# Altium PCB led-cube.PcbDoc (continued)
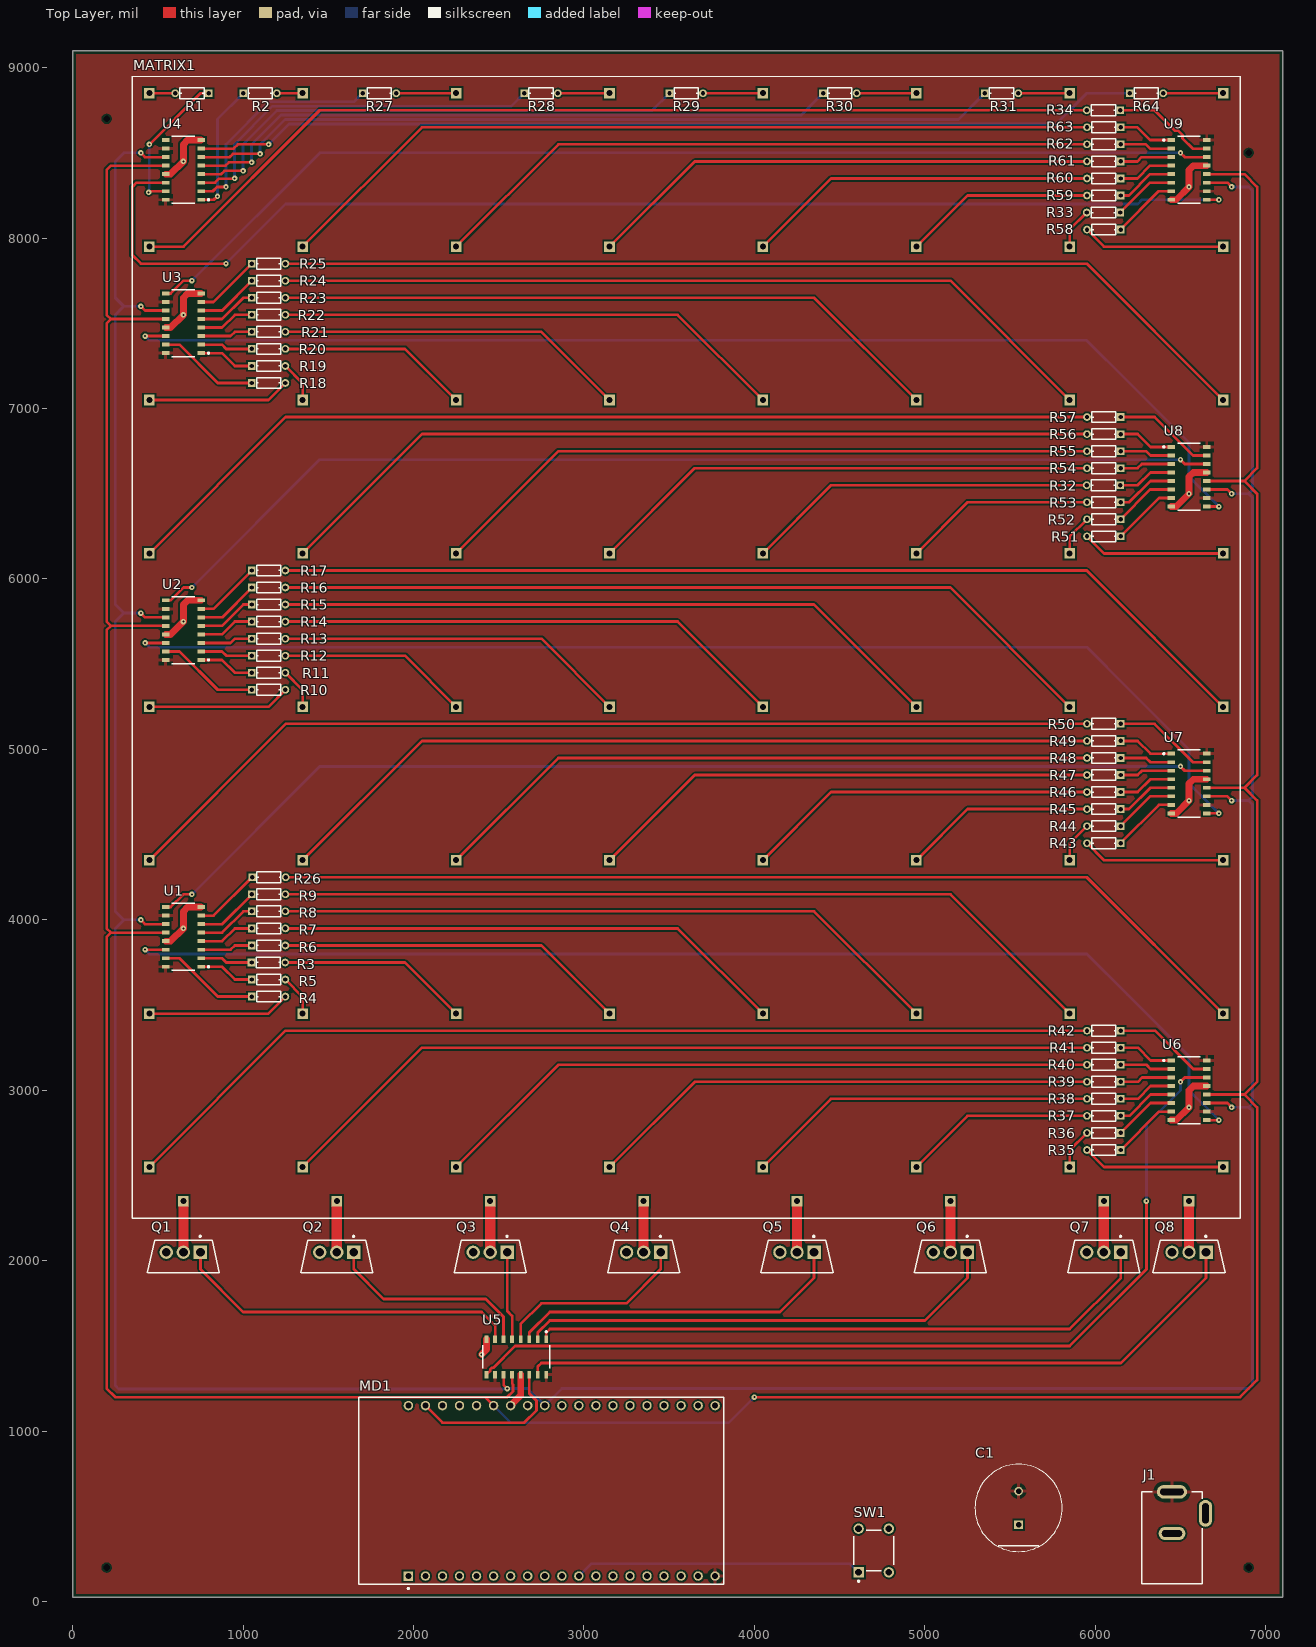
[diagram p0: Top Layer view]
## Footprints (in the part's own frame and the unit in brackets; to place one, negate y for a bottom-side part, rotate by r counter-clockwise, add the part's x,y. Pads: shape width x height; smd on the part's side, far side on the other; paste and mask are expansions set on the pad) (continued)
  silkscreen extent -3250,-3350 3250,3350

## Part data
C1: library part CMP-05427-000073-2, "Aluminum Electrolytic Capacitors (Radial Lead Type) 470uF ±20% 50V", Capacitance=470uF, Case/Package=Radial, Dielectric Material=Aluminium, ESR (Equivalent Series Resistance)=22mR, Max Operating Temperature=105°C, Min Operating Temperature=-40°C, Package Quantity=200, Ripple Current=2.26A, Tolerance=20%, Voltage=50V, Construction=RADIAL, Contact Plating=Tin, Diameter=12.5mm, Features="General Purpose", Height=20mm, Height - Seated (Max)=0.787inch, Impedance=22mR, Lead Diameter=0.6mm, Lead Free="Lead Free", Lead Length=17mm, Lead Pitch=5mm, Length=20mm, Life (Hours)=5000Hour, Mount="Through Hole", Packaging=Bulk, Radiation Hardening=No, REACH SVHC="No SVHC", RoHS Compliant=Yes, Series=FM, Termination=Radial, Voltage Rating=50V, Voltage Rating (DC)=50V
J1: library part CMP-0256-00001-1, "3 Conductor Power Jack, 2 break 2 aux contacts", ComponentLink1Description="Manufacturer URL", ComponentLink1URL=http://kycon.com/, ComponentLink2Description=Datasheet, ComponentLink2URL=http://anacapa.kycon.com/Catalog_PDF/KLDX_0202.pdf, Contact Finish=Brass, Mounting Technology="Through Hole", PackageDescription="Jack, 9 x 14.5 mm Body, 2.5 mm Center Pin Diameter", PackageReference=KLDX-0202-B, PartNumber=KLDX-0202-B
MATRIX1: library part LED-MATRIX, "LED matrix - 512 × 5 mm - 8x8x8"
MD1: library part CMP-194065-000004-1, "WiFi Development Tools (802.11) ESP32 General Development Kit, ESP32-WROOM-32 on the board", Manufacturer=Espressif, Max Frequency=2.5GHz, Max Supply Voltage=5V, Min Supply Voltage=2.7V, Temperature="-40°C to", Temperature Range Low=-40°C, Automotive=No, Bandwidth=2.4-2.5GHz, Category=UNK, ComponentLink2Description=Datasheet, ComponentLink2URL=https://docs.espressif.com/projects/esp-idf/en/latest/get-started/get-started-devkitc.html, Device Class L1="Integrated Circuits (ICs)", Device Class L2="RF Semiconductors and Devices", Device Class L3=Transceivers, Interface=I2C,SPI,UART,I2S, Lead Free=Yes, Manufacturer Part Number="ESP32-DevKitC V4", Number Of Adc Channels=16, Number Of Gpio=22, Octopart=https://octopart.com/esp32-devkitc+v4-espressif+systems-107467262, Package="ESP32-DevKitC V4", RoHS=TRUE
Q1 Q2 Q3 Q4 Q5 Q6 Q7 Q8: library part CMP-32901-000118-1, "MOSFET N-CH 30V 260A TO-220AB", Continuous Drain Current=260A, Drain To Source Breakdown Voltage=30V, Drain To Source Resistance=2mΩ, Gate To Source Voltage=20V, Input Capacitace At Vds="8420pF @ 15V", Manufacturer=Infineon, Max Forward Diode Voltage=1V, Max Junction Temp=+175°C, Package=PG-TO220-3, Power Dissipation=230W, Pulse Drain Current=1050A, Temperature="-55°C to +175°C", Temperature Range Low=-55°C, Automotive=No, Category=Trans, ComponentLink2Description=Datasheet, ComponentLink2URL=https://www.infineon.com/dgdl/irlb3813pbf.pdf?fileId=5546d462533600a4015356603cfe258b, Depletion Mode=False, Device Class L1="Discrete Semiconductors", Device Class L2=Transistors, Device Class L3=MOSFETs, Digikey Description="MOSFET N-CH 30V 260A TO-220AB", Drain To Source Voltage=30V, Footprint Url=https://www.infineon.com/dgdl/po-to220ab-fp.pdf?fileId=5546d462580663ef0158068cfbee01be, Gate Charge At Vgs="57nC @ 4.5V", Height=19.8mm, Lead Free=Yes, Manufacturer Part Number=IRLB3813PBF, Number Of Channels=1, Number Of N Channels=1, Octopart=https://octopart.com/irlb3813pbf-infineon-65874923, Reverse Recovery Charge=22nC, Reverse Recovery Time=24ns, RoHS=TRUE, Rthja Max=62°C/W, Standoff Height=3.37mm, Temperature Range High=+175°C, Threshold Vgs Max=2.35V, Threshold Vgs Min=1.35V, Turn Off Delay Time=33ns, Turn On Delay Time=36ns
R1 R2 R3 R4 R5 R6 R7 R8 R9 R10 R11 R12 R13 R14 R15 R16 R17 R18 R19 R20 R21 R22 R23 R24 R25 R26 R27 R28 R29 R30 R31 R32 R33 R34 R35 R36 R37 R38 R39 R40 R41 R42 R43 R44 R45 R46 R47 R48 R49 R50 R51 R52 R53 R54 R55 R56 R57 R58 R59 R60 R61 R62 R63 R64: library part CMP-02408-000005-1, "RES 220 OHM 0.4W 1% AXIAL", Manufacturer="Vishay BC Components", Manufacturer Part Number=MBA02040C2200FC100, Package=MBA0204, Power Rating=0.25W, Resistance=220Ω, Temperature="-55°C to +125°C", Temperature Coefficient=50ppm/°C, Temperature Range High=+125°C, Temperature Range Low=-55°C, Tolerance=1%, Voltage Rating=200V, Automotive=Yes, Automotive Grade="Grade 1", Category=Res, ComponentLink2Description=Datasheet, ComponentLink2URL=http://www.vishay.com/docs/28766/mbxsma.pdf, Composition="Metal Film", Device Class L1="Passive Components", Device Class L2=Resistors, Device Class L3="Through-Hole Resistors", Digikey Description="RES 220 OHM 0.4W 1% AXIAL", Height=1.6mm, Ipc Land Pattern Name=RESAD500W65L360D160, Lead Free=Yes, Mouser Description="Thin Film Resistors - Through Hole .4watt 220ohms 1% 1/8watt body size", Octopart=https://octopart.com/mba02040c2200fc100-vishay-43743094, RoHS=TRUE, Series="MBA/SMA 0204"
SW1: library part CMP-47024-000004-1, "SWITCH TACTILE SPST-NO 0.05A 12V", Actuator Color=Black, Contact Resistance=100mR, Current Rating=50mA, Max Operating Temperature=70°C, Max Voltage Rating (DC)=12V, Min Operating Temperature=-20°C, Operating Force=160gf, Package Quantity=2000, Actuator Length=1.4mm, Actuator Material=Thermoplastic, Actuator Type=Standard, Color=Black, Contact Material=Bronze, Contact Plating=Silver, Electrical Life=100000Cycles, Illumination Type=Non-Illuminated, Mechanical Life=100000Cycles, Mount="Through Hole", Orientation=Straight, Packaging=Bulk, REACH SVHC="No SVHC", RoHS Compliant=Yes, Series=MJTP, Switch Function=Off-Mom, Switch Travel=0.25mm, Termination="PC Pin", Throw Configuration=SPST, Voltage Rating (DC)=12V
U1 U2 U3 U4 U5 U6 U7 U8 U9: library part CMP-00278-20374953-1, "MC74HCT595ADR2G Shift Register Single 8-Bit Serial to Serial/Parallel 16-Pin SOIC T/R - Tape and Reel", Case/Package=SOIC, Manufacturer Lifecycle Status=ACTIVE, Max Operating Temperature=125°C, Max Supply Voltage=5.5V, Min Operating Temperature=-55°C, Min Supply Voltage=4.5V, Operating Supply Voltage=5V, Quiescent Current=4µA, Contact Plating=Tin, Direction=Unidirectional, Halogen Free="Halogen Free", Lead Free="Lead Free", Lifecycle Status=Production, Logic Function="Shift Register", Mount="Surface Mount", NexarPartId=20374953, Number of Bits=8, Number of Bits per Element=8, Number of Circuits=1, Number of Elements=1, Number of Pins=16, Packaging="Tape & Reel (TR)", Propagation Delay=38ns, RoHS=Compliant, Schedule B="8542390000, 8542390000", Turn-On Delay Time=45ns

## Via types
v1: diameter 32, hole 12, Top Layer to Bottom Layer, 44 vias

## Nets (pads, with @x,y where several pads share a name; then routed paths per layer and width w, separated by ;. In a path a pad name is that pad's centre, name@x,y a point inside that pad or via, vN(x,y) a via of type N, cw(c..) or ccw(c..) an arc to the next point about the centre after c; other vN are vias at no path point)
+5: C1.2 J1.1 MD1.19 U1.10 U1.16 U2.10 U2.16 U3.10 U3.16 U4.10 U4.16 U5.10 U5.16 U6.10 U6.16 U7.10 U7.16 U8.10 U8.16 U9.10 U9.16
COL0: MATRIX1.1 R1.2 | length 151.6
  Top Layer w16: MATRIX1.1 R1.2
COL1: MATRIX1.2 R2.2 | length 151.6
  Top Layer w16: R2.2 MATRIX1.2
COL2: MATRIX1.3 R27.2 | length 351.6
  Top Layer w16: R27.2 MATRIX1.3
COL3: MATRIX1.4 R28.2 | length 303.1
  Top Layer w16: R28.2 MATRIX1.4
COL4: MATRIX1.5 R29.2 | length 351.6
  Top Layer w16: R29.2 MATRIX1.5
COL5: MATRIX1.6 R30.2 | length 350
  Top Layer w16: R30.2 MATRIX1.6
COL6: MATRIX1.7 R31.2 | length 301.6
  Top Layer w16: R31.2 MATRIX1.7
COL7: MATRIX1.8 R64.2 | length 351.6
  Top Layer w16: R64.2 MATRIX1.8
COL8: MATRIX1.9 R34.2 | length 5831.4
  Top Layer w16: MATRIX1.9 650,7950 1450,8750 R34.2
COL9: MATRIX1.10 R63.2 | length 4891.5
  Top Layer w16: MATRIX1.10 2050,8650 R63.2
COL10: MATRIX1.11 R62.2 | length 3950.1
  Top Layer w16: MATRIX1.11 2850,8550 R62.2
COL11: MATRIX1.12 R61.2 | length 3008.7
  Top Layer w16: MATRIX1.12 3650,8450 R61.2
COL12: MATRIX1.13 R60.2 | length 2067.3
  Top Layer w16: MATRIX1.13 4450,8350 R60.2
COL13: MATRIX1.14 R59.2 | length 1125.8
  Top Layer w16: MATRIX1.14 5250,8250 R59.2
COL14: MATRIX1.15 R33.2 | length 241.4
  Top Layer w16: MATRIX1.15 5850,8050 R33.2
COL15: MATRIX1.16 R58.2 | length 839.8
  Top Layer w16: R58.2 6051.57,7950 MATRIX1.16
COL16: MATRIX1.17 R18.2 | length 839.8
  Top Layer w16: MATRIX1.17 1148.43,7050 R18.2
COL17: MATRIX1.18 R19.2 | length 242.1
  Top Layer w16: R19.2 1350,7148.43 MATRIX1.18
COL18: MATRIX1.19 R20.2 | length 1125.8
  Top Layer w16: R20.2 1950,7350 MATRIX1.19
COL19: MATRIX1.20 R21.2 | length 2067.3
  Top Layer w16: R21.2 2750,7450 MATRIX1.20
COL20: MATRIX1.21 R22.2 | length 3008.7
  Top Layer w16: R22.2 3550,7550 MATRIX1.21
COL21: MATRIX1.22 R23.2 | length 3950.1
  Top Layer w16: R23.2 4350,7650 MATRIX1.22
COL22: MATRIX1.23 R24.2 | length 4891.5
  Top Layer w16: R24.2 5150,7750 MATRIX1.23
COL23: MATRIX1.24 R25.2 | length 5832.9
  Top Layer w16: R25.2 5950,7850 MATRIX1.24
COL24: MATRIX1.25 R57.2 | length 5832.9
  Top Layer w16: MATRIX1.25 1250,6950 R57.2
COL25: MATRIX1.26 R56.2 | length 4891.5
  Top Layer w16: MATRIX1.26 2050,6850 R56.2
COL26: MATRIX1.27 R55.2 | length 3950.1
  Top Layer w16: MATRIX1.27 2850,6750 R55.2
COL27: MATRIX1.28 R54.2 | length 3008.7
  Top Layer w16: MATRIX1.28 3650,6650 R54.2
COL28: MATRIX1.29 R32.2 | length 2065.7
  Top Layer w16: MATRIX1.29 4450,6550 R32.2
COL29: MATRIX1.30 R53.2 | length 1125.8
  Top Layer w16: MATRIX1.30 5250,6450 R53.2
COL30: MATRIX1.31 R52.2 | length 242.1
  Top Layer w16: MATRIX1.31 5850,6248.43 R52.2
COL31: MATRIX1.32 R51.2 | length 839.8
  Top Layer w16: R51.2 6051.57,6150 MATRIX1.32
COL32: MATRIX1.33 R10.2 | length 839.8
  Top Layer w16: MATRIX1.33 1148.43,5250 R10.2
COL33: MATRIX1.34 R11.2 | length 242.1
  Top Layer w16: R11.2 1350,5348.43 MATRIX1.34
COL34: MATRIX1.35 R12.2 | length 1125.8
  Top Layer w16: R12.2 1950,5550 MATRIX1.35
COL35: MATRIX1.36 R13.2 | length 2067.3
  Top Layer w16: R13.2 2750,5650 MATRIX1.36
COL36: MATRIX1.37 R14.2 | length 3008.7
  Top Layer w16: R14.2 3550,5750 MATRIX1.37
COL37: MATRIX1.38 R15.2 | length 3950.1
  Top Layer w16: R15.2 4350,5850 MATRIX1.38
COL38: MATRIX1.39 R16.2 | length 4891.5
  Top Layer w16: R16.2 5150,5950 MATRIX1.39
COL39: MATRIX1.40 R17.2 | length 5832.9
  Top Layer w16: R17.2 5950,6050 MATRIX1.40
COL40: MATRIX1.41 R50.2 | length 5832.9
  Top Layer w16: MATRIX1.41 1250,5150 R50.2
COL41: MATRIX1.42 R49.2 | length 4891.5
  Top Layer w16: MATRIX1.42 2050,5050 R49.2
COL42: MATRIX1.43 R48.2 | length 3950.1
  Top Layer w16: MATRIX1.43 2850,4950 R48.2
COL43: MATRIX1.44 R47.2 | length 3008.7
  Top Layer w16: MATRIX1.44 3650,4850 R47.2
COL44: MATRIX1.45 R46.2 | length 2067.3
  Top Layer w16: MATRIX1.45 4450,4750 R46.2
COL45: MATRIX1.46 R45.2 | length 1125.8
  Top Layer w16: MATRIX1.46 5250,4650 R45.2
COL46: MATRIX1.47 R44.2 | length 242.1
  Top Layer w16: MATRIX1.47 5850,4448.43 R44.2
COL47: MATRIX1.48 R43.2 | length 839.8
  Top Layer w16: R43.2 6051.57,4350 MATRIX1.48
COL48: MATRIX1.49 R4.2 | length 839.8
  Top Layer w16: MATRIX1.49 1148.43,3450 R4.2
COL49: MATRIX1.50 R5.2 | length 242.1
  Top Layer w16: R5.2 1350,3548.43 MATRIX1.50
COL50: MATRIX1.51 R3.2 | length 1127.4
  Top Layer w16: R3.2 1950,3750 MATRIX1.51
COL51: MATRIX1.52 R6.2 | length 2067.3
  Top Layer w16: R6.2 2750,3850 MATRIX1.52
COL52: MATRIX1.53 R7.2 | length 3008.7
  Top Layer w16: R7.2 3550,3950 MATRIX1.53
COL53: MATRIX1.54 R8.2 | length 3950.1
  Top Layer w16: R8.2 4350,4050 MATRIX1.54
COL54: MATRIX1.55 R9.2 | length 4891.5
  Top Layer w16: R9.2 5150,4150 MATRIX1.55
COL55: MATRIX1.56 R26.2 | length 5831.4
  Top Layer w16: R26.2 5950,4250 MATRIX1.56
COL56: MATRIX1.57 R42.2 | length 5832.9
  Top Layer w16: MATRIX1.57 1250,3350 R42.2
COL57: MATRIX1.58 R41.2 | length 4891.5
  Top Layer w16: MATRIX1.58 2050,3250 R41.2
COL58: MATRIX1.59 R40.2 | length 3950.1
  Top Layer w16: MATRIX1.59 2850,3150 R40.2
COL59: MATRIX1.60 R39.2 | length 3008.7
  Top Layer w16: MATRIX1.60 3650,3050 R39.2
COL60: MATRIX1.61 R38.2 | length 2067.3
  Top Layer w16: MATRIX1.61 4450,2950 R38.2
COL61: MATRIX1.62 R37.2 | length 1125.8
  Top Layer w16: MATRIX1.62 5250,2850 R37.2
COL62: MATRIX1.63 R36.2 | length 242.1
  Top Layer w16: MATRIX1.63 5850,2648.43 R36.2
COL63: MATRIX1.64 R35.2 | length 839.8
  Top Layer w16: R35.2 6051.57,2550 MATRIX1.64
GND: C1.1 J1.2 MD1.14 MD1.32 MD1.38 Q1.3 Q2.3 Q3.3 Q4.3 Q5.3 Q6.3 Q7.3 Q8.3 SW1.3 U1.8 U1.13 U2.8 U2.13 U3.8 U3.13 U4.8 U4.13 U5.8 U5.13 U6.8 U6.13 U7.8 U7.13 U8.8 U8.13 U9.8 U9.13 | length 3103.1
  Top Layer w40: U1.13 575,3875 v1(650,3950) 650,4050 675,4075 U1.8 ; U2.13 575,5675 v1(650,5750) 650,5850 675,5875 U2.8 ; U3.13 575,7475 v1(650,7550) 650,7650 675,7675 U3.8 ; U4.13 575,8375 v1(650,8450) 650,8550 675,8575 U4.8 ; v1(2400,1450) 2428.97,1478.97 U5.8 ; MD1.32 2628.97,1208.89 U5.13 ; U6.8 6475,2825 v1(6550,2900) 6550,3000 6575,3025 U6.13 ; U7.8 6475,4625 v1(6550,4700) 6550,4800 6575,4825 U7.13 ; U8.8 6475,6425 v1(6550,6500) 6550,6600 6575,6625 U8.13 ; U9.8 6475,8225 v1(6550,8300) 6550,8400 6575,8425 U9.13
LATCH_CLK: MD1.33 U1.12 U2.12 U3.12 U4.12 U5.12 U6.12 U7.12 U8.12 U9.12 | length 23923.2
  Top Layer w16: U1.12 225,3925 ; U2.12 225,5725 ; U3.12 225,7525 ; U4.12 225,8425 200,8400 200,7550 225,7525 ; MD1.33 2420.08,1200 ; U5.12 2578.97,1279.57 2584,1274.54 2584,1234 2550,1200 2467.36,1200 2420.08,1200 ; v1(4000,1200) 6850,1200 6950,1300 6950,2900 6875,2975 ; U6.12 6875,2975 ; U7.12 6875,4775 ; U8.12 6875,6575 ; U9.12 6875,8375 6950,8300 6950,6650 6875,6575 ; 225,3925 200,3900 200,1250 250,1200 2420.08,1200 ; 225,3925 200,3950 200,5700 225,5725 ; 225,5725 200,5750 200,7500 225,7525 ; 6875,2975 6950,3050 6950,4700 6875,4775 ; 6875,4775 6950,4850 6950,6500 6875,6575
  Bottom Layer w16: MD1.33 2570.08,1050 3850,1050 v1(4000,1200)
LAY0: MATRIX1.65 Q1.2 | length 300
  Top Layer w60: Q1.2 MATRIX1.65
LAY1: MATRIX1.66 Q2.2 | length 300
  Top Layer w60: Q2.2 MATRIX1.66
LAY2: MATRIX1.67 Q3.2 | length 300
  Top Layer w60: Q3.2 MATRIX1.67
LAY3: MATRIX1.68 Q4.2 | length 300
  Top Layer w60: Q4.2 MATRIX1.68
LAY4: MATRIX1.69 Q5.2 | length 300
  Top Layer w60: Q5.2 MATRIX1.69
LAY5: MATRIX1.70 Q6.2 | length 300
  Top Layer w60: Q6.2 MATRIX1.70
LAY6: MATRIX1.71 Q7.2 | length 300
  Top Layer w60: Q7.2 MATRIX1.71
LAY7: MATRIX1.72 Q8.2 | length 300
  Top Layer w60: Q8.2 MATRIX1.72
NetMD1_11: MD1.11 SW1.1 | length 1691.9
  Bottom Layer w16: MD1.11 3042.13,222.05 4561.42,222.05 SW1.1
NetMD1_37: MD1.37 U5.14 | length 950.7
  Top Layer w16: MD1.37 2170.08,1050 2650,1050 2721.34,1121.34 2721.34,1178.66 2678.97,1221.03 U5.14
NetQ1_1: Q1.1 U5.7 | length 2046.1
  Top Layer w16: Q1.1 750,1950 1000,1700 2400,1700 2478.97,1621.03 U5.7
NetQ2_1: Q2.1 U5.6 | length 1224.4
  Top Layer w16: Q2.1 1650,1950 1824,1776 2424,1776 2528.27,1671.73 U5.6@2528.27,1540.82
NetQ3_1: Q3.1 U5.5 | length 521.9
  Top Layer w16: Q3.1 2550,1704.88 2578.97,1675.91 U5.5
NetQ4_1: Q4.1 U5.4 | length 1142.9
  Top Layer w16: U5.4 2628.97,1628.97 2750,1750 3250,1750 3450,1950 Q4.1
NetQ5_1: Q5.1 U5.3 | length 1992.9
  Top Layer w16: U5.3 2678.97,1578.97 2800,1700 4150,1700 4350,1900 Q5.1
NetQ6_1: Q6.1 U5.2 | length 2842.9
  Top Layer w16: U5.2 2728.97,1578.97 2800,1650 5000,1650 5250,1900 Q6.1
NetQ7_1: Q7.1 U5.1 | length 3692.9
  Top Layer w16: U5.1 2778.97,1578.97 2800,1600 5850,1600 6150,1900 Q7.1
NetQ8_1: Q8.1 U5.15 | length 4333.6
  Top Layer w16: U5.15 2728.97,1378.97 2750,1400 2796.72,1400 2905.64,1400 6150,1400 6650,1900 Q8.1
NetR1_1: R1.1 U4.15 | length 857.8
  Top Layer w16: v1(446.58,8268.5) 453.08,8275 U4.15 ; v1(450,8550) 750,8850 R1.1
  Bottom Layer w16: v1(446.58,8268.5) 450,8271.92 v1(450,8550)
NetR2_1: R2.1 U4.1 | length 772.4
  Top Layer w16: U4.1 828.06,8225 847.56,8244.5 v1(850,8244.5)
  Bottom Layer w16: v1(850,8244.5) 850,8698.43 R2.1
NetR3_1: R27.1 U4.2 | length 1332.3
  Top Layer w16: U4.2 822.08,8275 847.08,8300 v1(900,8300)
  Bottom Layer w16: v1(900,8300) 900,8550 1150,8800 1651.57,8800 R27.1
NetR4_1: R28.1 U4.3 | length 2230.7
  Top Layer w16: U4.3 835.31,8325 859.31,8349 949,8349 v1(950,8350)
  Bottom Layer w16: v1(950,8350) 950,8550 1174,8774 2574,8774 R28.1
NetR5_1: R29.1 U4.4 | length 3035.5
  Top Layer w16: U4.4 872.08,8375 891.58,8394.5 v1(1000,8394.5)
  Bottom Layer w16: v1(1000,8394.5) 1000,8550 1198,8748 3399.57,8748 R29.1
NetR6_1: R30.1 U4.5 | length 3887.1
  Top Layer w16: U4.5 897.08,8425 916.58,8444.5 v1(1050,8444.5)
  Bottom Layer w16: v1(1050,8444.5) 1050,8550 1222,8722 4275.15,8722 4303.15,8750 R30.1
NetR7_1: R31.1 U4.6 | length 4785.5
  Top Layer w16: U4.6 922.08,8475 941.58,8494.5 v1(1100,8494.5)
  Bottom Layer w16: v1(1100,8494.5) 1100,8550 1246,8696 5197.57,8696 R31.1
NetR8_1: R64.1 U4.7 | length 5582.3
  Top Layer w16: U4.7 944.33,8525 969.33,8550 v1(1150,8550)
  Bottom Layer w16: v1(1150,8550) 1270,8670 5770,8670 5950,8850 R64.1
NetR9_1: R34.1 U9.15 | length 610.4
  Top Layer w16: R34.1@6145.28,8750 6346.85,8750 6466.43,8630.42 6486.34,8630.42 6512.11,8604.64 6512.11,8584.74 6571.85,8525 U9.15@6650.79,8525
NetR10_1: R63.1 U9.1 | length 328.7
  Top Layer w16: R63.1@6145.28,8650 6246.85,8650 6321.85,8575 U9.1@6442.92,8575
NetR11_1: R62.1 U9.2 | length 308
  Top Layer w16: R62.1@6145.28,8550 6296.85,8550 6321.85,8525 U9.2@6442.92,8525
NetR12_1: R61.1 U9.3 | length 308
  Top Layer w16: R61.1@6145.28,8450 6246.85,8450 6271.85,8475 U9.3@6442.92,8475
NetR13_1: R60.1 U9.4 | length 328.7
  Top Layer w16: R60.1@6145.28,8350 6246.85,8350 6321.85,8425 U9.4@6442.92,8425
NetR14_1: R59.1 U9.5 | length 349.4
  Top Layer w16: R59.1@6145.28,8250 6196.85,8250 6321.85,8375 U9.5@6442.92,8375
NetR15_1: R33.1 U9.6 | length 370.1
  Top Layer w16: R33.1@6145.28,8150 6320.28,8325 U9.6@6442.92,8325
NetR16_1: R58.1 U9.7 | length 389.3
  Top Layer w16: R58.1@6146.85,8050 6371.85,8275 U9.7@6442.92,8275
NetR17_1: R18.1 U3.15 | length 598.7
  Top Layer w16: U3.15@547.64,7375 626.57,7375 851.57,7150 R18.1@1053.15,7150
NetR18_1: R19.1 U3.1 | length 328.7
  Top Layer w16: U3.1@755.51,7325 876.57,7325 951.57,7250 R19.1@1053.15,7250
NetR19_1: R20.1 U3.2 | length 308
  Top Layer w16: U3.2@755.51,7375 876.57,7375 901.57,7350 R20.1@1053.15,7350
NetR20_1: R21.1 U3.3 | length 308
  Top Layer w16: U3.3@755.51,7425 926.57,7425 951.57,7450 R21.1@1053.15,7450
NetR21_1: R22.1 U3.4 | length 328.7
  Top Layer w16: U3.4@755.51,7475 876.57,7475 951.57,7550 R22.1@1053.15,7550
NetR22_1: R23.1 U3.5 | length 349.4
  Top Layer w16: U3.5@755.51,7525 876.57,7525 1001.57,7650 R23.1@1053.15,7650
NetR23_1: R24.1 U3.6 | length 370.1
  Top Layer w16: U3.6@755.51,7575 878.15,7575 R24.1@1053.15,7750
NetR24_1: R25.1 U3.7 | length 389.3
  Top Layer w16: U3.7@755.51,7625 826.57,7625 R25.1
NetR25_1: R57.1 U8.15 | length 598.7
  Top Layer w16: R57.1@6146.85,6950 6348.43,6950 6573.43,6725 U8.15@6652.36,6725
NetR26_1: R56.1 U8.1 | length 328.7
  Top Layer w16: R56.1@6146.85,6850 6248.43,6850 6323.43,6775 U8.1@6444.49,6775
NetR27_1: R55.1 U8.2 | length 308
  Top Layer w16: R55.1@6146.85,6750 6298.43,6750 6323.43,6725 U8.2@6444.49,6725
NetR28_1: R54.1 U8.3 | length 308
  Top Layer w16: R54.1@6146.85,6650 6248.43,6650 6273.43,6675 U8.3@6444.49,6675
NetR29_1: R32.1 U8.4 | length 328.7
  Top Layer w16: R32.1 6248.43,6550 6323.43,6625 U8.4@6444.49,6625
NetR30_1: R53.1 U8.5 | length 349.4
  Top Layer w16: R53.1@6146.85,6450 6198.43,6450 6323.43,6575 U8.5@6444.49,6575
NetR31_1: R52.1 U8.6 | length 370.1
  Top Layer w16: R52.1@6146.85,6350 6321.85,6525 U8.6@6444.49,6525
NetR32_1: R51.1 U8.7 | length 389.3
  Top Layer w16: R51.1 6373.43,6475 U8.7@6444.49,6475
NetR33_1: R10.1 U2.15 | length 598.7
  Top Layer w16: U2.15@547.64,5575 626.57,5575 851.57,5350 R10.1@1053.15,5350
NetR34_1: R11.1 U2.1 | length 328.7
  Top Layer w16: U2.1@755.51,5525 876.57,5525 951.57,5450 R11.1@1053.15,5450
NetR35_1: R12.1 U2.2 | length 308
  Top Layer w16: U2.2@755.51,5575 876.57,5575 901.57,5550 R12.1@1053.15,5550
NetR36_1: R13.1 U2.3 | length 308
  Top Layer w16: U2.3@755.51,5625 926.57,5625 951.57,5650 R13.1@1053.15,5650
NetR37_1: R14.1 U2.4 | length 328.7
  Top Layer w16: U2.4@755.51,5675 876.57,5675 951.57,5750 R14.1@1053.15,5750
NetR38_1: R15.1 U2.5 | length 349.4
  Top Layer w16: U2.5@755.51,5725 876.57,5725 1001.57,5850 R15.1@1053.15,5850
NetR39_1: R16.1 U2.6 | length 370.1
  Top Layer w16: U2.6@755.51,5775 878.15,5775 R16.1@1053.15,5950
NetR40_1: R17.1 U2.7 | length 389.3
  Top Layer w16: U2.7@755.51,5825 826.57,5825 R17.1
NetR41_1: R50.1 U7.15 | length 598.7
  Top Layer w16: R50.1@6146.85,5150 6348.43,5150 6573.43,4925 U7.15@6652.36,4925
NetR42_1: R49.1 U7.1 | length 328.7
  Top Layer w16: R49.1@6146.85,5050 6248.43,5050 6323.43,4975 U7.1@6444.49,4975
NetR43_1: R48.1 U7.2 | length 308
  Top Layer w16: R48.1@6146.85,4950 6298.43,4950 6323.43,4925 U7.2@6444.49,4925
NetR44_1: R47.1 U7.3 | length 308
  Top Layer w16: R47.1@6146.85,4850 6248.43,4850 6273.43,4875 U7.3@6444.49,4875
NetR45_1: R46.1 U7.4 | length 328.7
  Top Layer w16: R46.1@6146.85,4750 6248.43,4750 6323.43,4825 U7.4@6444.49,4825
NetR46_1: R45.1 U7.5 | length 349.4
  Top Layer w16: R45.1@6146.85,4650 6198.43,4650 6323.43,4775 U7.5@6444.49,4775
NetR47_1: R44.1 U7.6 | length 370.1
  Top Layer w16: R44.1@6146.85,4550 6321.85,4725 U7.6@6444.49,4725
NetR48_1: R43.1 U7.7 | length 389.3
  Top Layer w16: R43.1 6373.43,4675 U7.7@6444.49,4675
NetR49_1: R4.1 U1.15 | length 598.7
  Top Layer w16: U1.15@547.64,3775 626.57,3775 851.57,3550 R4.1@1053.15,3550
NetR50_1: R5.1 U1.1 | length 328.7
  Top Layer w16: U1.1@755.51,3725 876.57,3725 951.57,3650 R5.1@1053.15,3650
NetR51_1: R3.1 U1.2 | length 308
  Top Layer w16: U1.2@755.51,3775 876.57,3775 901.57,3750 R3.1@1053.15,3750
NetR52_1: R6.1 U1.3 | length 308
  Top Layer w16: U1.3@755.51,3825 926.57,3825 951.57,3850 R6.1@1053.15,3850
NetR53_1: R7.1 U1.4 | length 328.7
  Top Layer w16: U1.4@755.51,3875 876.57,3875 951.57,3950 R7.1@1053.15,3950
NetR54_1: R8.1 U1.5 | length 349.4
  Top Layer w16: U1.5@755.51,3925 876.57,3925 1001.57,4050 R8.1@1053.15,4050
NetR55_1: R9.1 U1.6 | length 370.1
  Top Layer w16: U1.6@755.51,3975 878.15,3975 R9.1@1053.15,4150
NetR56_1: R26.1 U1.7 | length 389.3
  Top Layer w16: U1.7@755.51,4025 826.57,4025 R26.1@1051.57,4250
NetR57_1: R42.1 U6.15 | length 598.7
  Top Layer w16: R42.1 6350,3350 6575,3125 U6.15
NetR58_1: R41.1 U6.1 | length 328.7
  Top Layer w16: R41.1 6250,3250 6325,3175 U6.1
NetR59_1: R40.1 U6.2 | length 308
  Top Layer w16: R40.1 6300,3150 6325,3125 U6.2
NetR60_1: R39.1 U6.3 | length 308
  Top Layer w16: R39.1 6250,3050 6275,3075 U6.3
NetR61_1: R38.1 U6.4 | length 328.7
  Top Layer w16: R38.1 6250,2950 6325,3025 U6.4
NetR62_1: R37.1 U6.5 | length 349.4
  Top Layer w16: R37.1 6200,2850 6325,2975 U6.5
NetR63_1: R36.1 U6.6 | length 370.1
  Top Layer w16: R36.1 6323.43,2925 U6.6
NetR64_1: R35.1 U6.7 | length 390.8
  Top Layer w16: R35.1 6150,2650 6375,2875 U6.7
NetU1_9: U1.14 U6.9 | length 7023.5
  Top Layer w16: v1(425,3825) U1.14 ; U6.9 v1(6725,2825)
  Bottom Layer w16: v1(425,3825) 450,3800 1030.84,3800 1255.9,3800 5950,3800 6189.06,3560.94 6550,3200 6550,3000 v1(6725,2825)
NetU1_14: U5.9 U6.14 | length 5479.3
  Top Layer w16: U5.9 2449.55,1352.83 2449.55,1361.75 2460.1,1372.29 2469.02,1372.29 2596.72,1500 5850,1500 6300,1950 v1(6300,2350) ; v1(6500,3050) 6525,3075 U6.14
  Bottom Layer w16: v1(6300,2350) 6300,2800 6500,3000 v1(6500,3050)
NetU2_9: U1.9 U7.14 | length 6460
  Top Layer w16: U1.9 575,4075 650,4150 v1(700,4150) ; v1(6500,4900) 6525,4875 U7.14
  Bottom Layer w16: v1(700,4150) 1450,4900 v1(6500,4900)
NetU3_9: U2.14 U7.9 | length 7023.5
  Top Layer w16: v1(425,5625) U2.14 ; U7.9 v1(6725,4625)
  Bottom Layer w16: v1(425,5625) 450,5600 1255.9,5600 5950,5600 6189.06,5360.94 6550,5000 6550,4800 v1(6725,4625)
NetU4_9: U2.9 U8.14 | length 6460
  Top Layer w16: U2.9 575,5875 650,5950 v1(700,5950) ; v1(6500,6700) 6525,6675 U8.14
  Bottom Layer w16: v1(700,5950) 1450,6700 v1(6500,6700)
NetU5_9: U3.14 U8.9 | length 7023.5
  Top Layer w16: v1(425,7425) U3.14 ; U8.9 v1(6725,6425)
  Bottom Layer w16: v1(425,7425) 450,7400 1255.9,7400 5950,7400 6189.06,7160.94 6550,6800 6550,6600 v1(6725,6425)
NetU6_9: U3.9 U9.14 | length 6460
  Top Layer w16: U3.9 575,7675 650,7750 v1(700,7750) ; v1(6500,8500) 6525,8475 U9.14
  Bottom Layer w16: v1(700,7750) 1450,8500 v1(6500,8500)
NetU7_9: U4.14 U9.9 | length 7228.5
  Top Layer w16: U4.14 375,8325 350,8300 350,7900 400,7850 v1(900,7850) ; U9.9 v1(6725,8225)
  Bottom Layer w16: v1(900,7850) 1250,8200 6250,8200 6275,8225 v1(6725,8225)
SHIFT_CLK: MD1.30 U1.11 U2.11 U3.11 U4.11 U5.11 U6.11 U7.11 U8.11 U9.11 | length 23384.4
  Top Layer w16: v1(400,4000) 425,3975 U1.11 ; v1(400,5800) 425,5775 U2.11 ; v1(400,7600) 425,7575 U3.11 ; v1(400,8500) 425,8475 U4.11 ; U5.11 2528.97,1271.03 v1(2550,1250) ; U6.11 6775,2925 v1(6800,2900) ; U7.11 6775,4725 v1(6800,4700) ; U8.11 6775,6525 v1(6800,6500) ; U9.11 6775,8325 v1(6800,8300)
  Bottom Layer w16: v1(400,4000) 300,4000 ; v1(400,5800) 300,5800 ; v1(400,7600) 300,7600 ; v1(400,8500) 300,8500 250,8450 250,7650 300,7600 ; v1(6800,2900) 6900,2900 ; v1(6800,4700) 6900,4700 ; v1(6800,6500) 6900,6500 ; v1(6800,8300) 6900,8300 6922,8278 6922,6522 6900,6500 ; 300,4000 250,4050 250,5750 300,5800 ; 300,4000 250,3950 250,1267.58 269.64,1247.94 2547.94,1247.94 v1(2550,1250) 2670.08,1250 MD1.30 2870.08,1250 6900,1250 6922,1272 6922,2878 6900,2900 ; 300,5800 250,5850 250,7550 300,7600 ; 6900,2900 6922,2922 6922,4678 6900,4700 ; 6900,4700 6922,4722 6922,6478 6900,6500
pads on no net: 1.4 2.2 3.3 4.1 J1.3 MD1.1 MD1.2 MD1.3 MD1.4 MD1.5 MD1.6 MD1.7 MD1.8 MD1.9 MD1.10 MD1.12 MD1.13 MD1.15 MD1.16 MD1.17 MD1.18 MD1.20 MD1.21 MD1.22 MD1.23 MD1.24 MD1.25 MD1.26 MD1.27 MD1.28 MD1.29 MD1.31 MD1.34 MD1.35 MD1.36 SW1.2 SW1.4 U4.9

## Polygon pours and split planes (outlines as drawn)
GND on Bottom Layer "GND_L02_P007" (solid, remove dead copper, pour order 7): 0,25 0,9100 7100,9100 7100,25
+5 on Top Layer "+5_L01_P013" (solid, remove dead copper, pour order 13): 0,25 0,9100 7100,9100 7100,25